# Altium PCB CATS-GS.PcbDoc (part 1 of 3)
Units mil, origin at the board's own origin, x right, y up, seen from the top; angles counter-clockwise.
Board outline 3543.31 x 3070.87 mil, 4 copper layers (Top Layer, Mid Layer 1, Mid Layer 2, Bottom Layer), stack 61.811 mil thick; 140 components, 103 nets, 565 pads, 394 vias.
Unrouted connection lines stored in the file: 23.
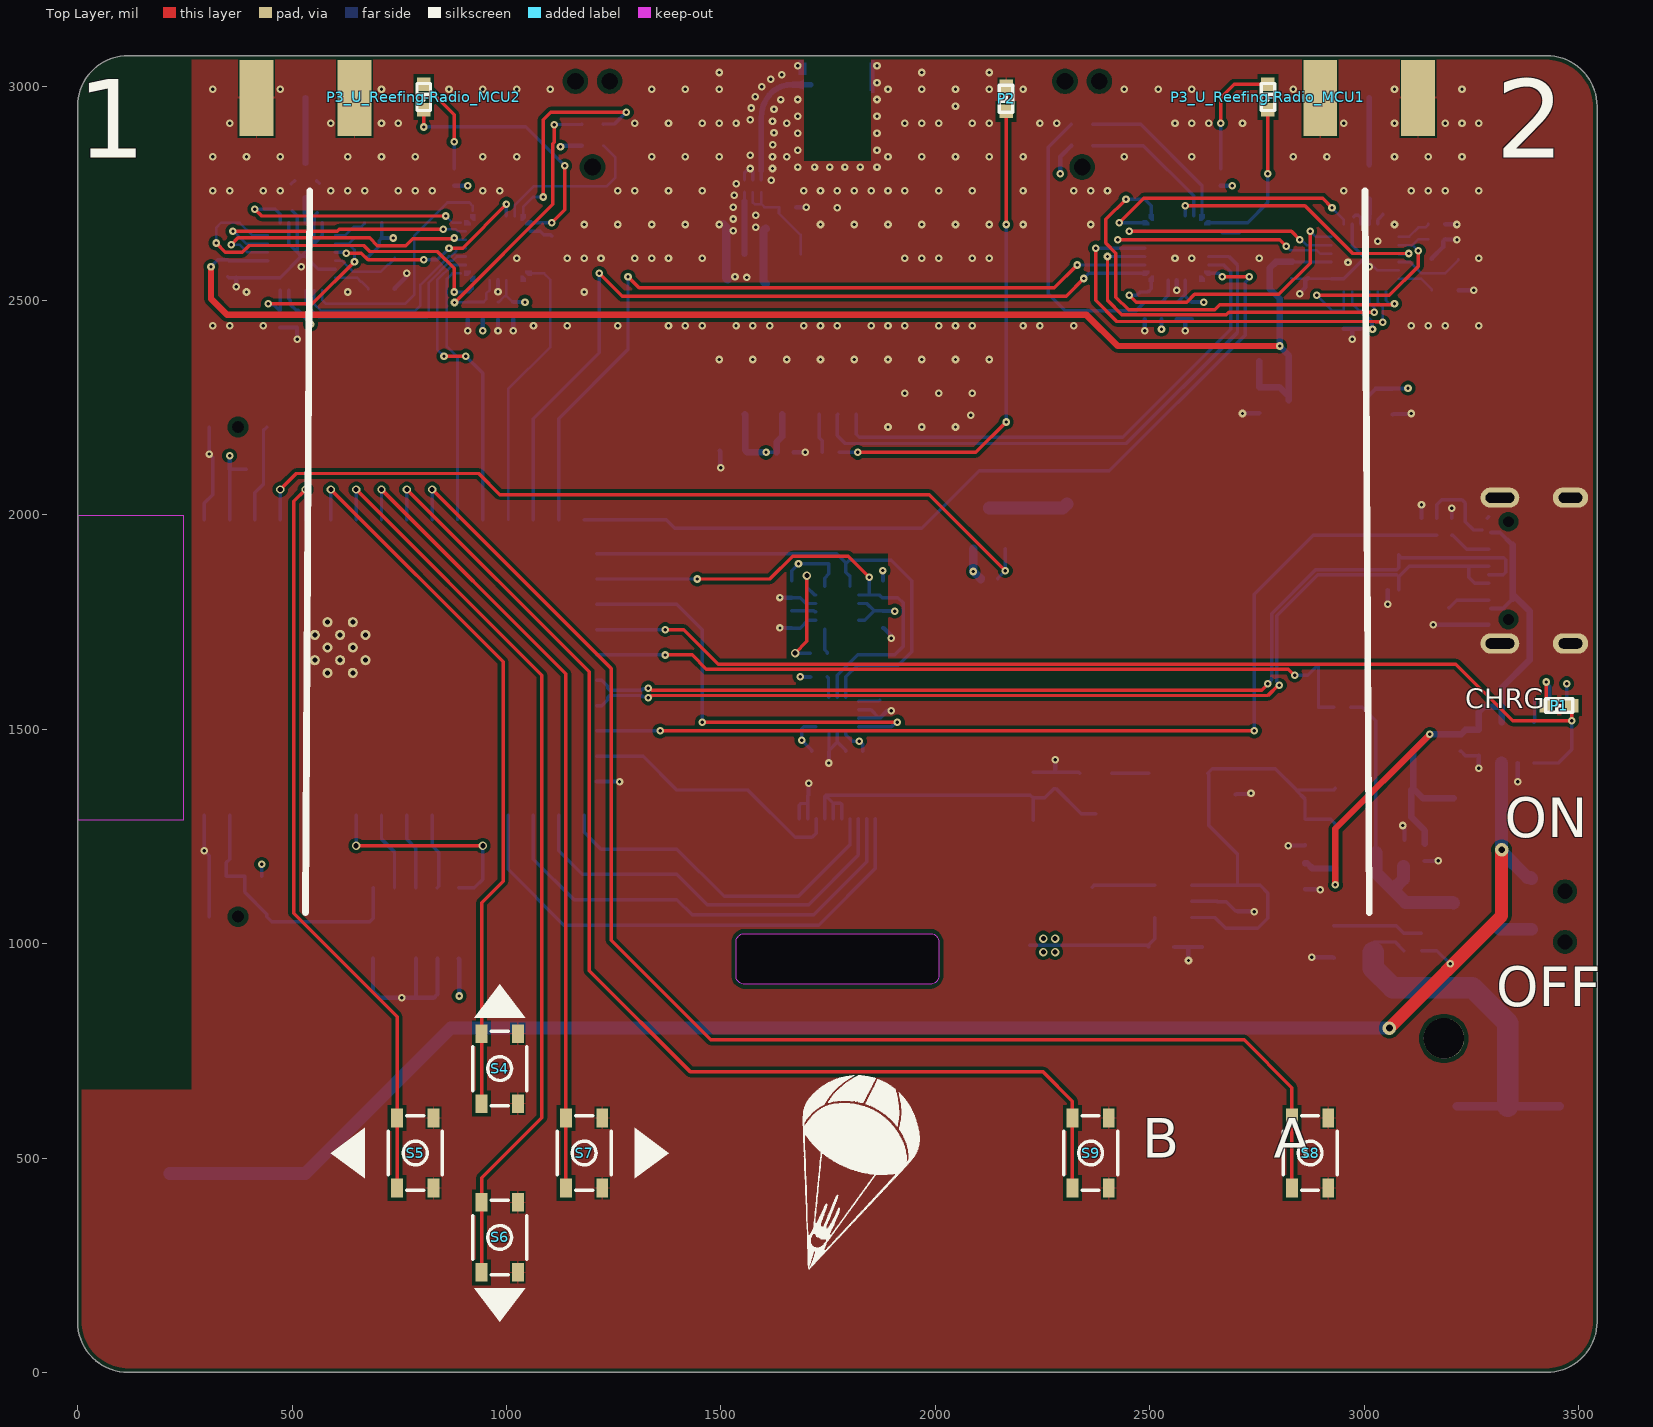
[diagram p0: Top Layer view]
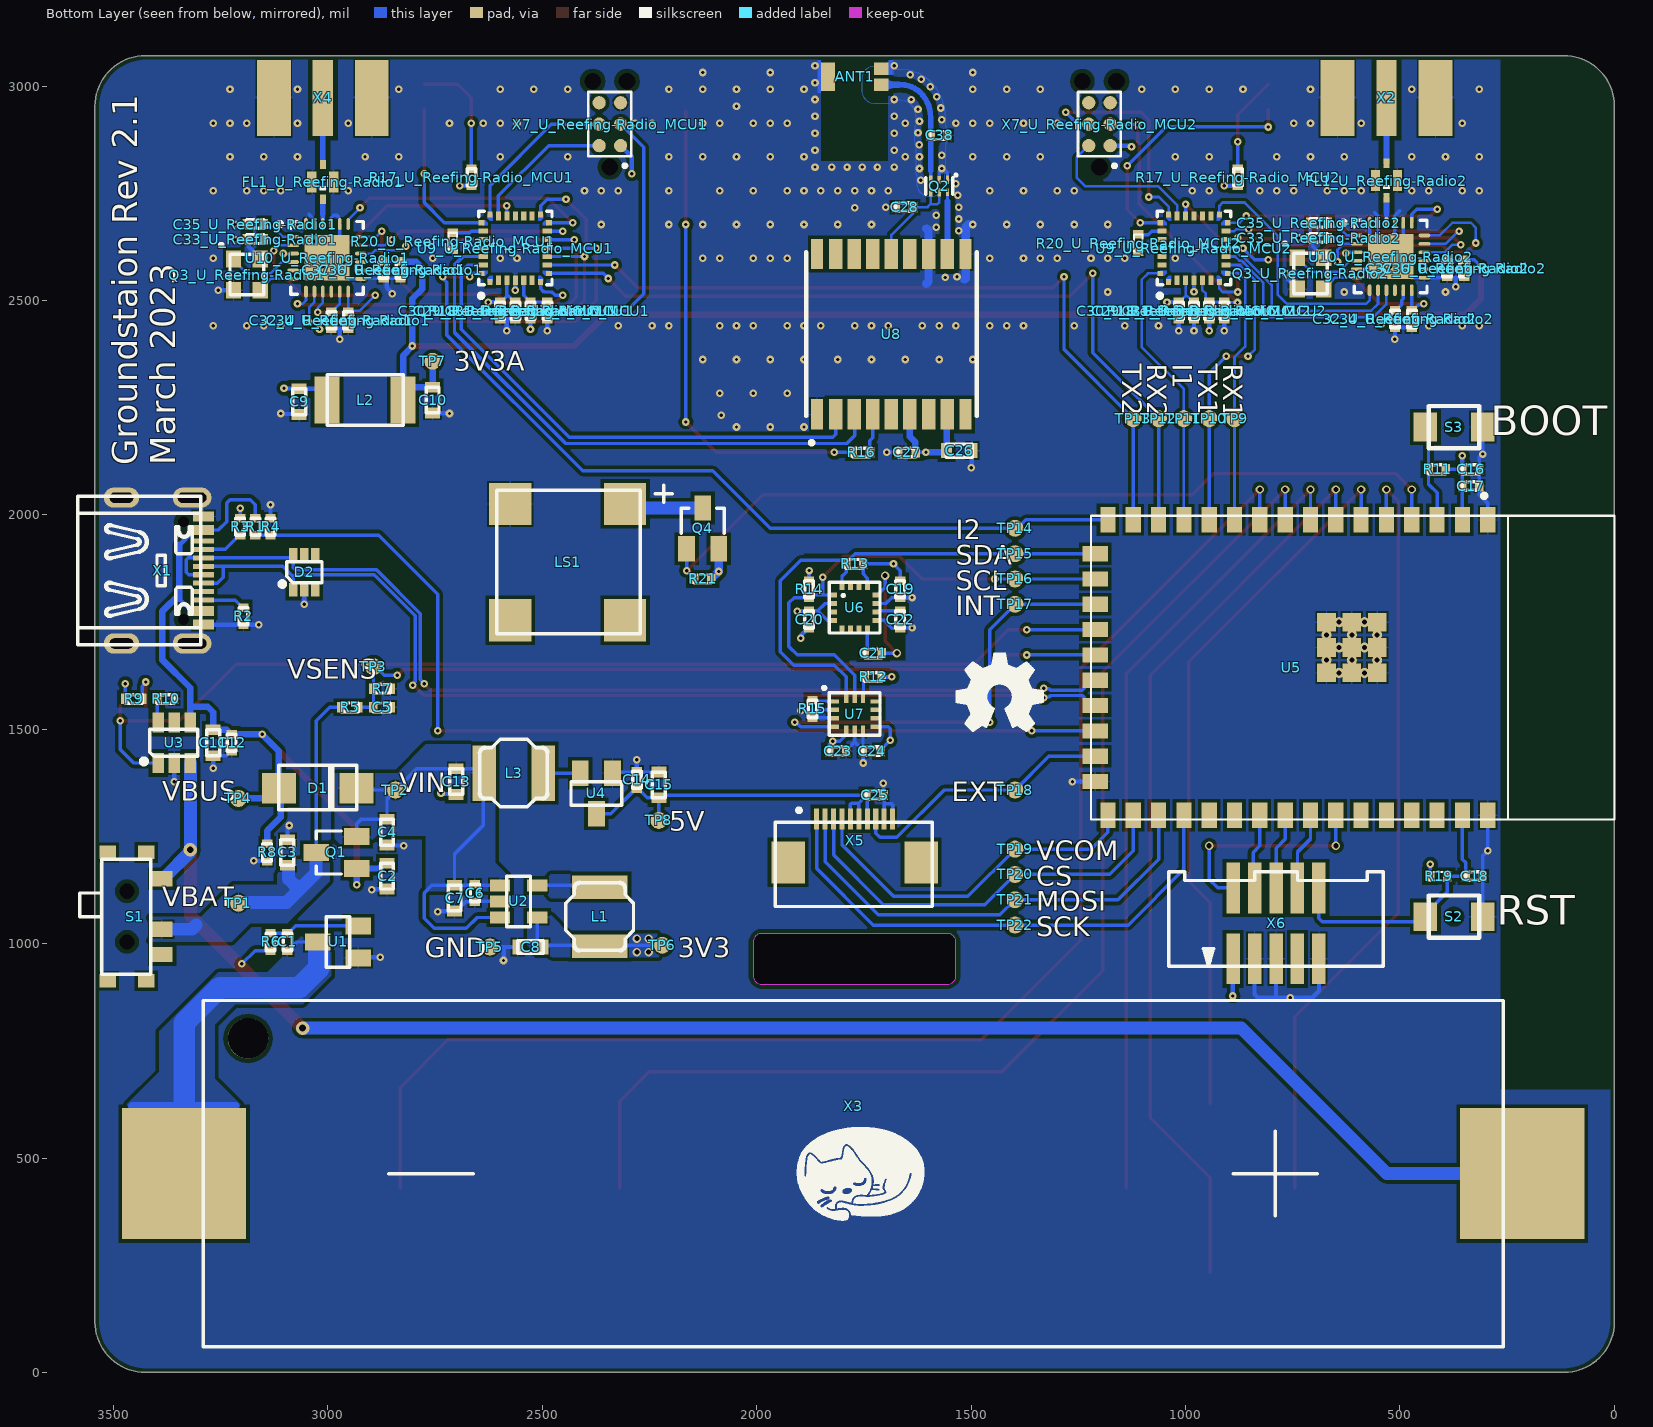
[diagram p1: Bottom Layer view, seen from below]
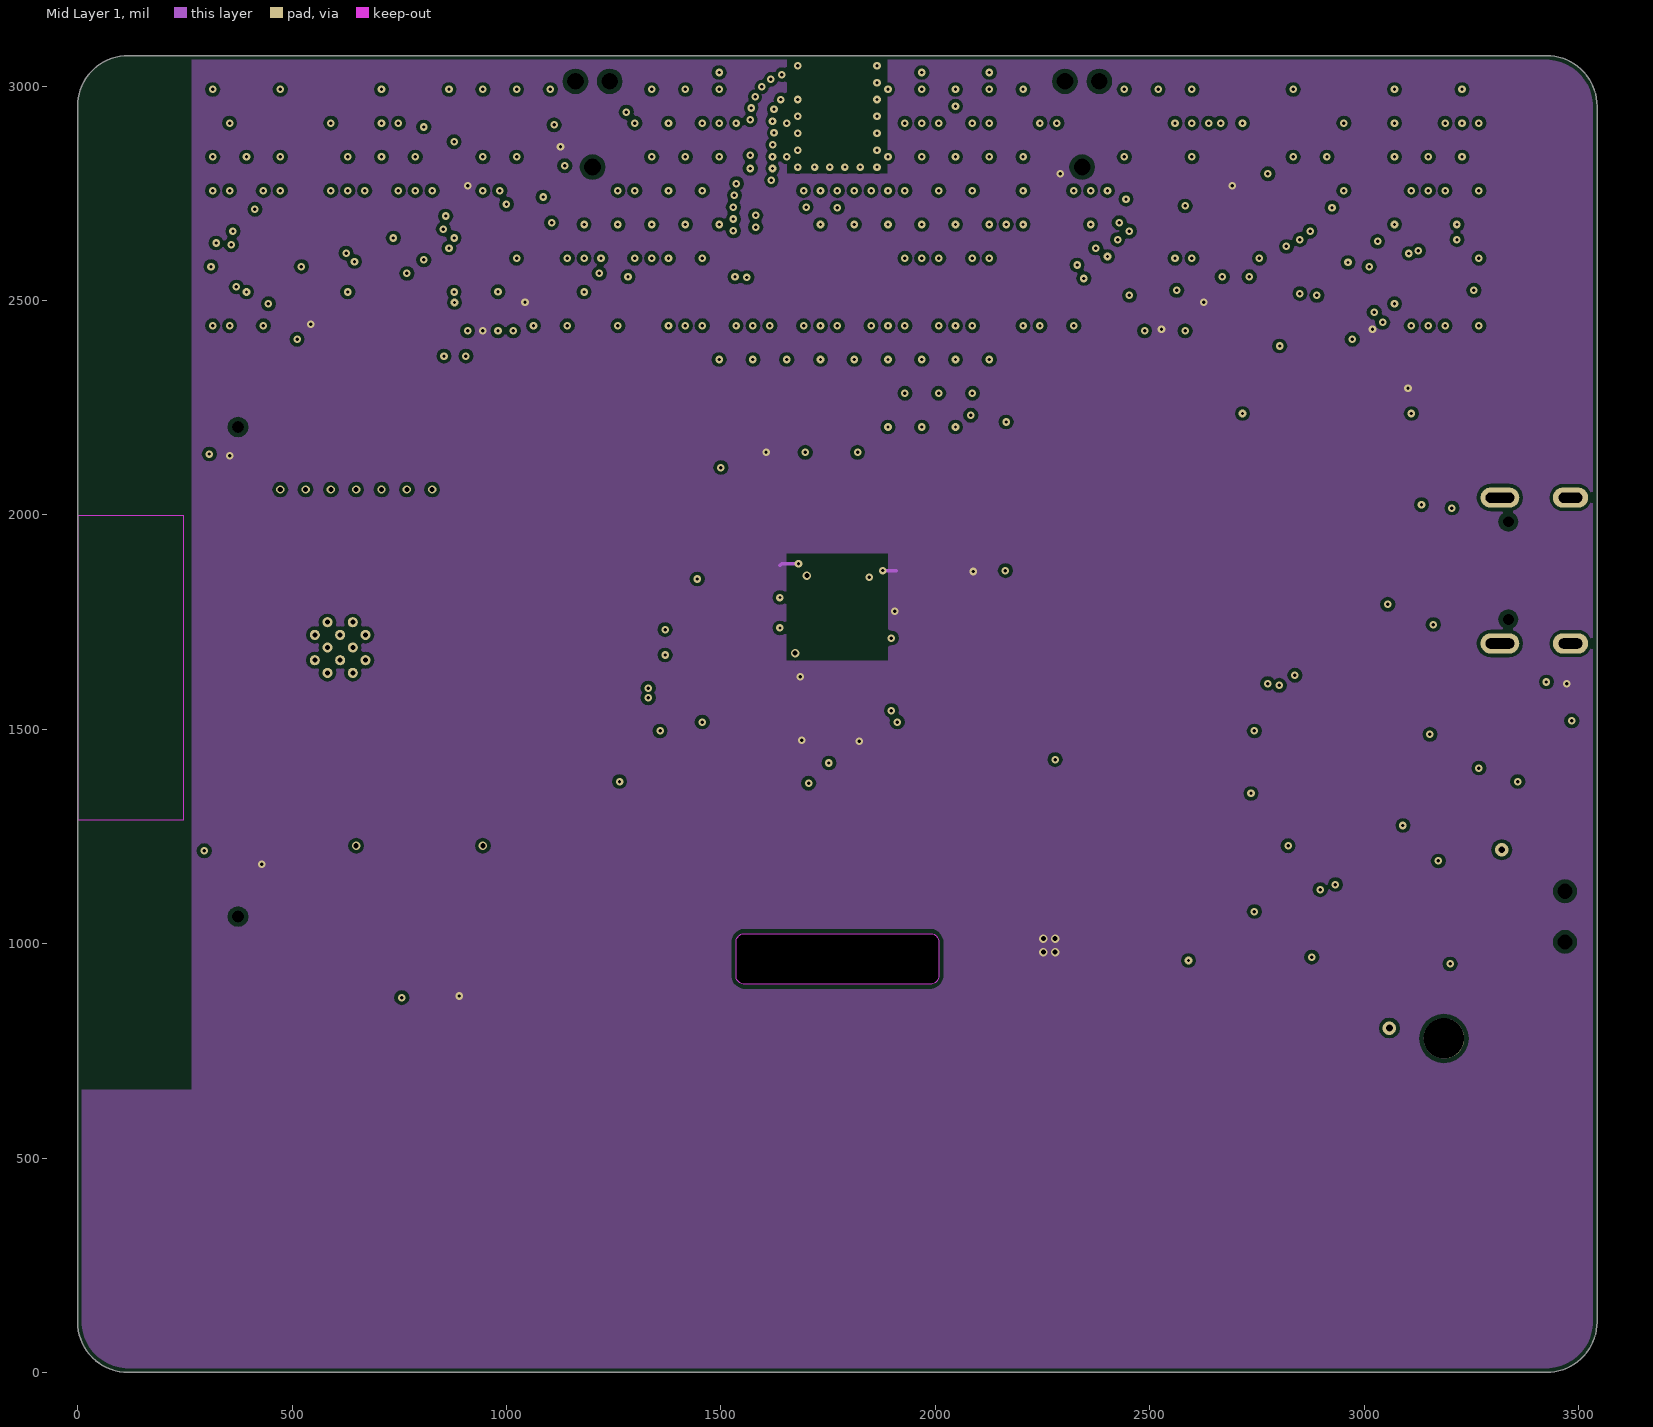
[diagram p2: Mid Layer 1]
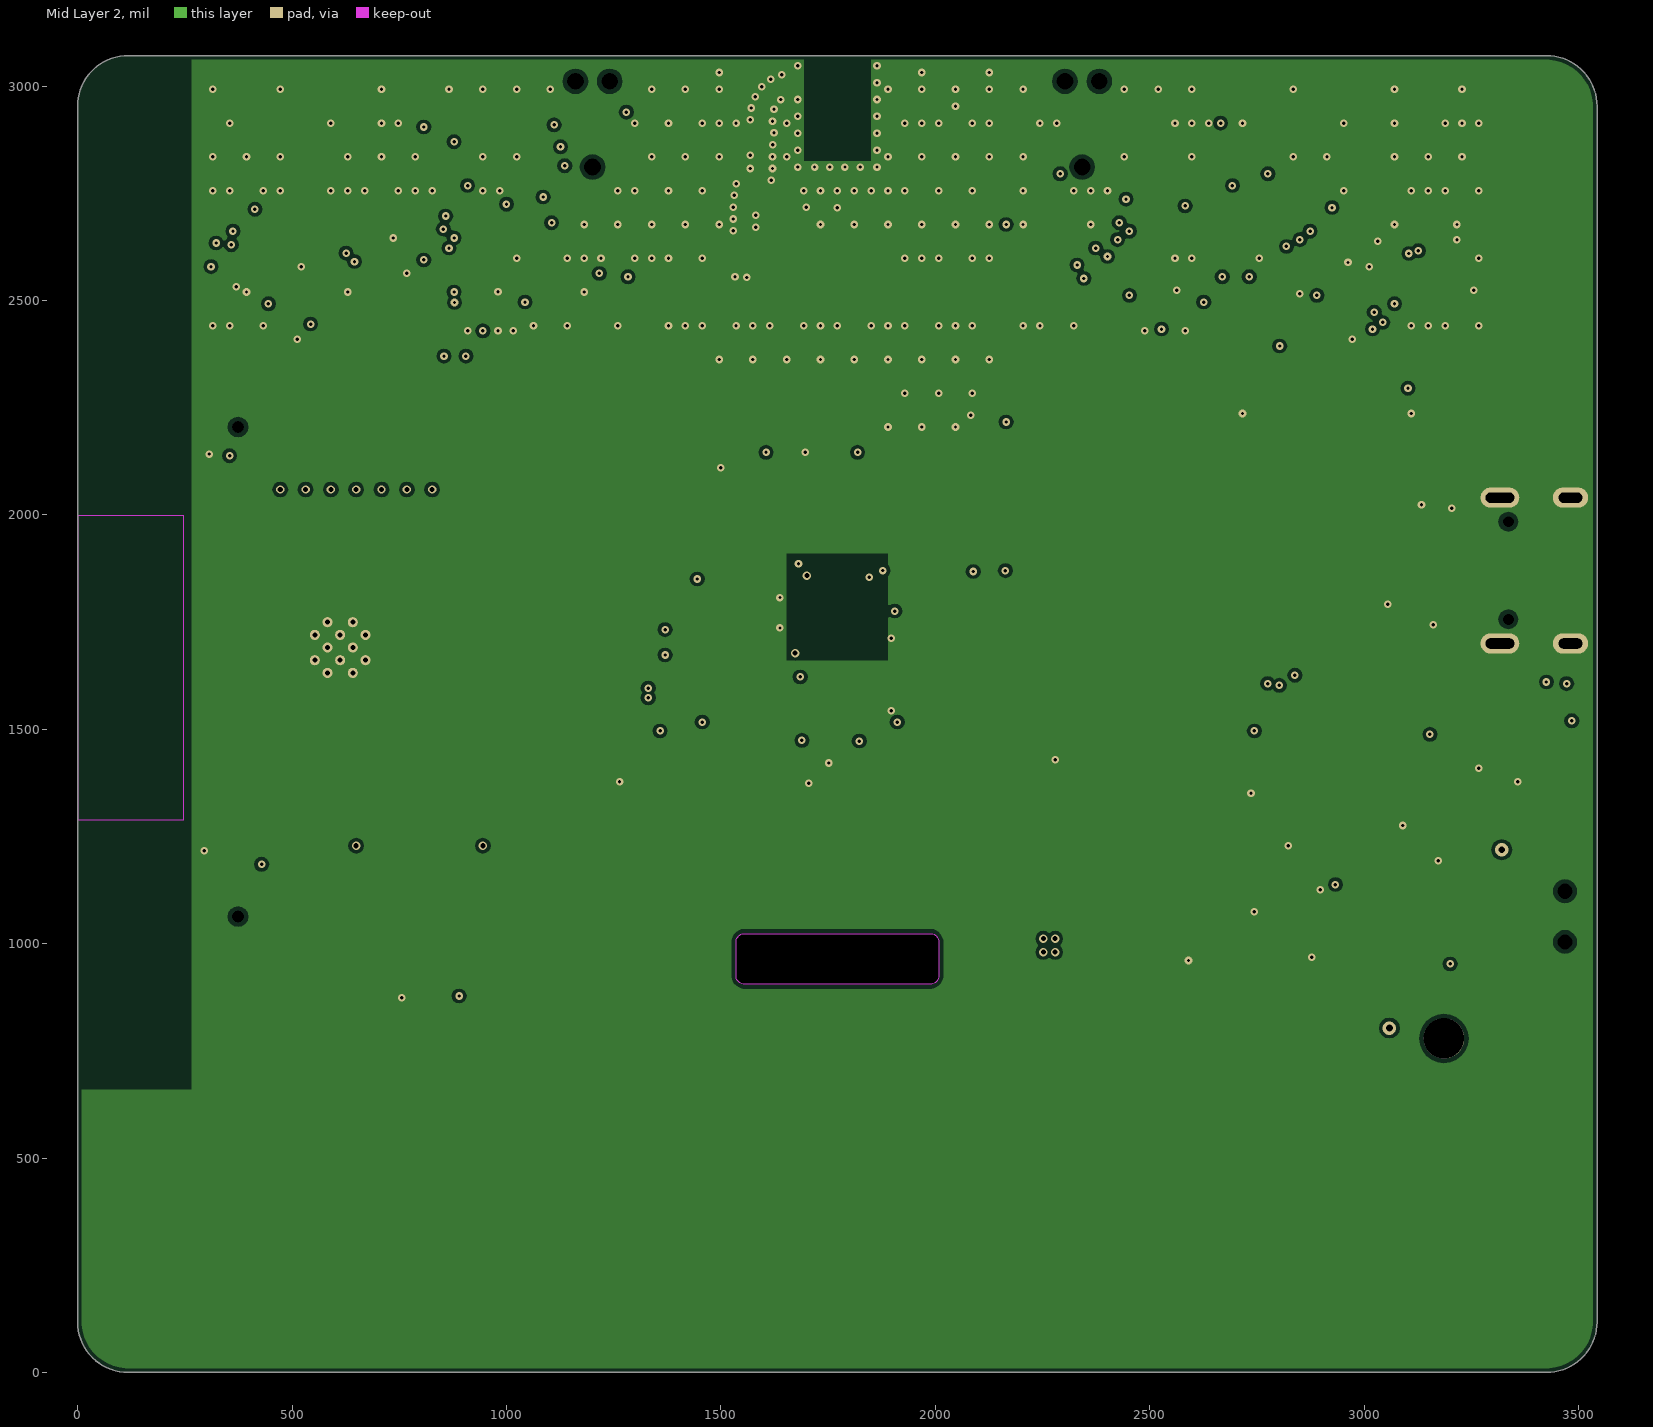
[diagram p3: Mid Layer 2]
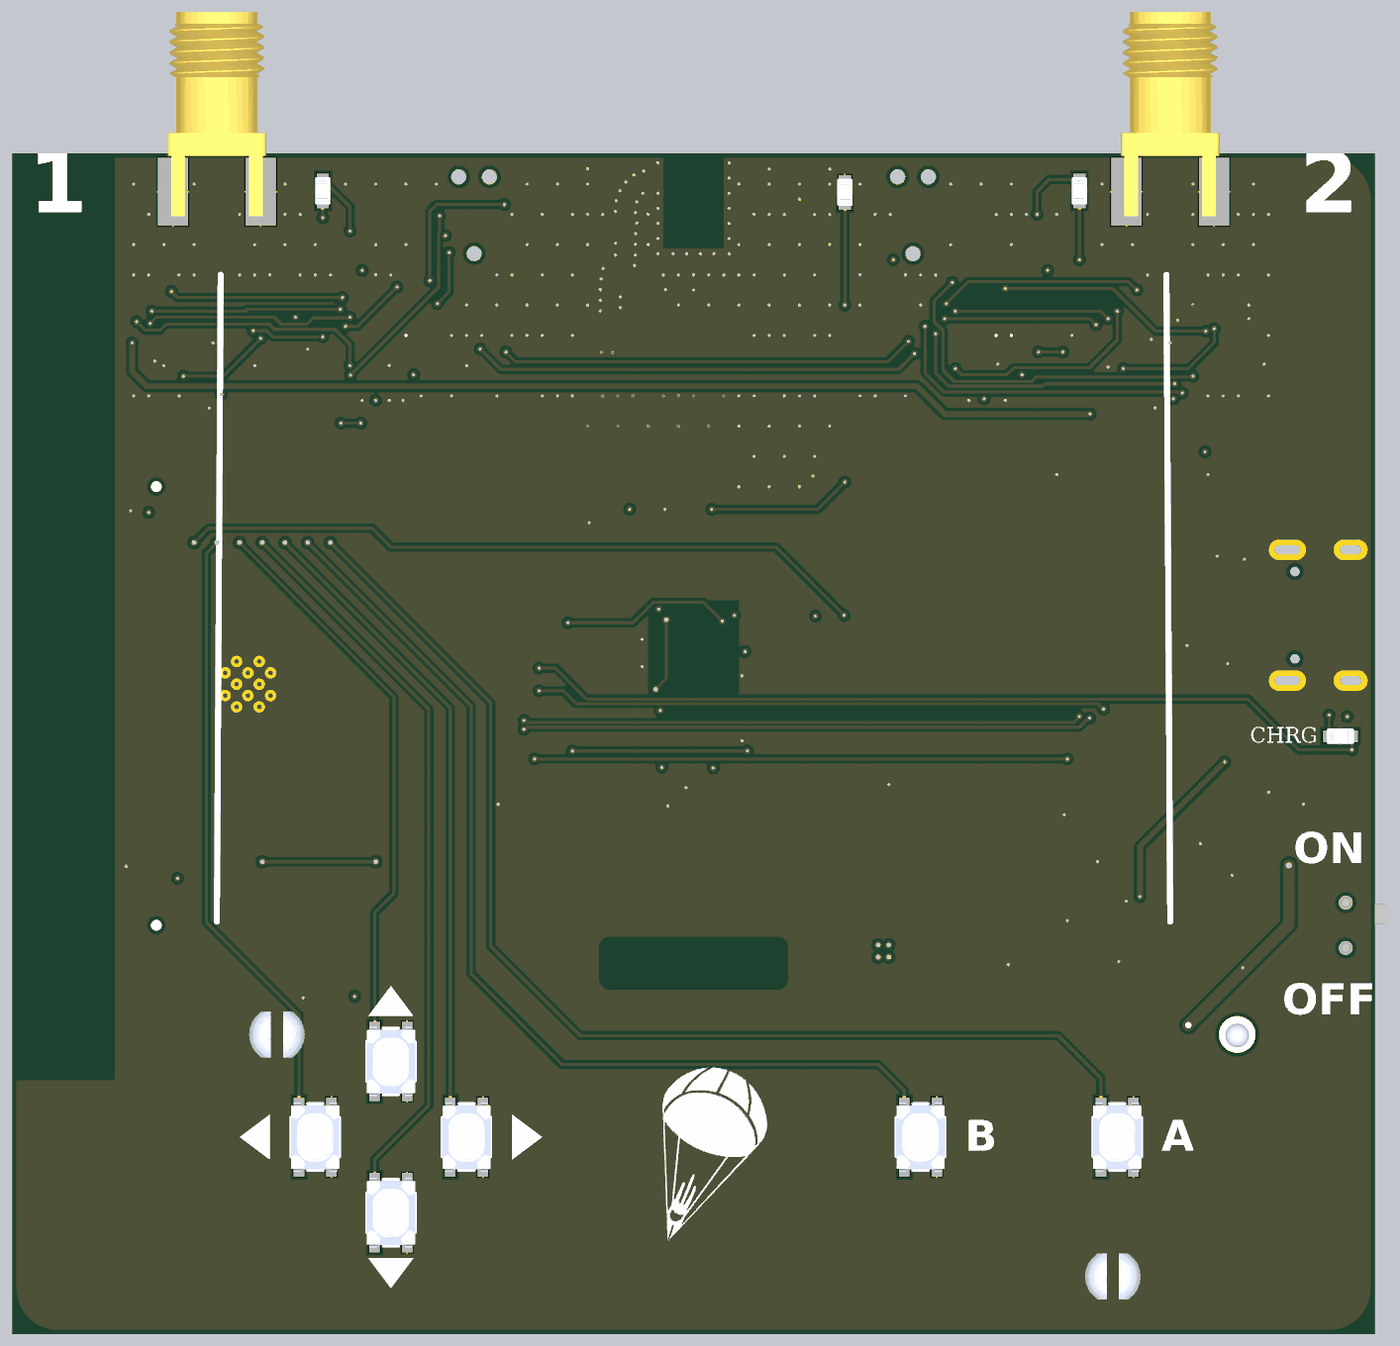
[diagram p6: 3D render of the assembled board from above, using the file's embedded part models]
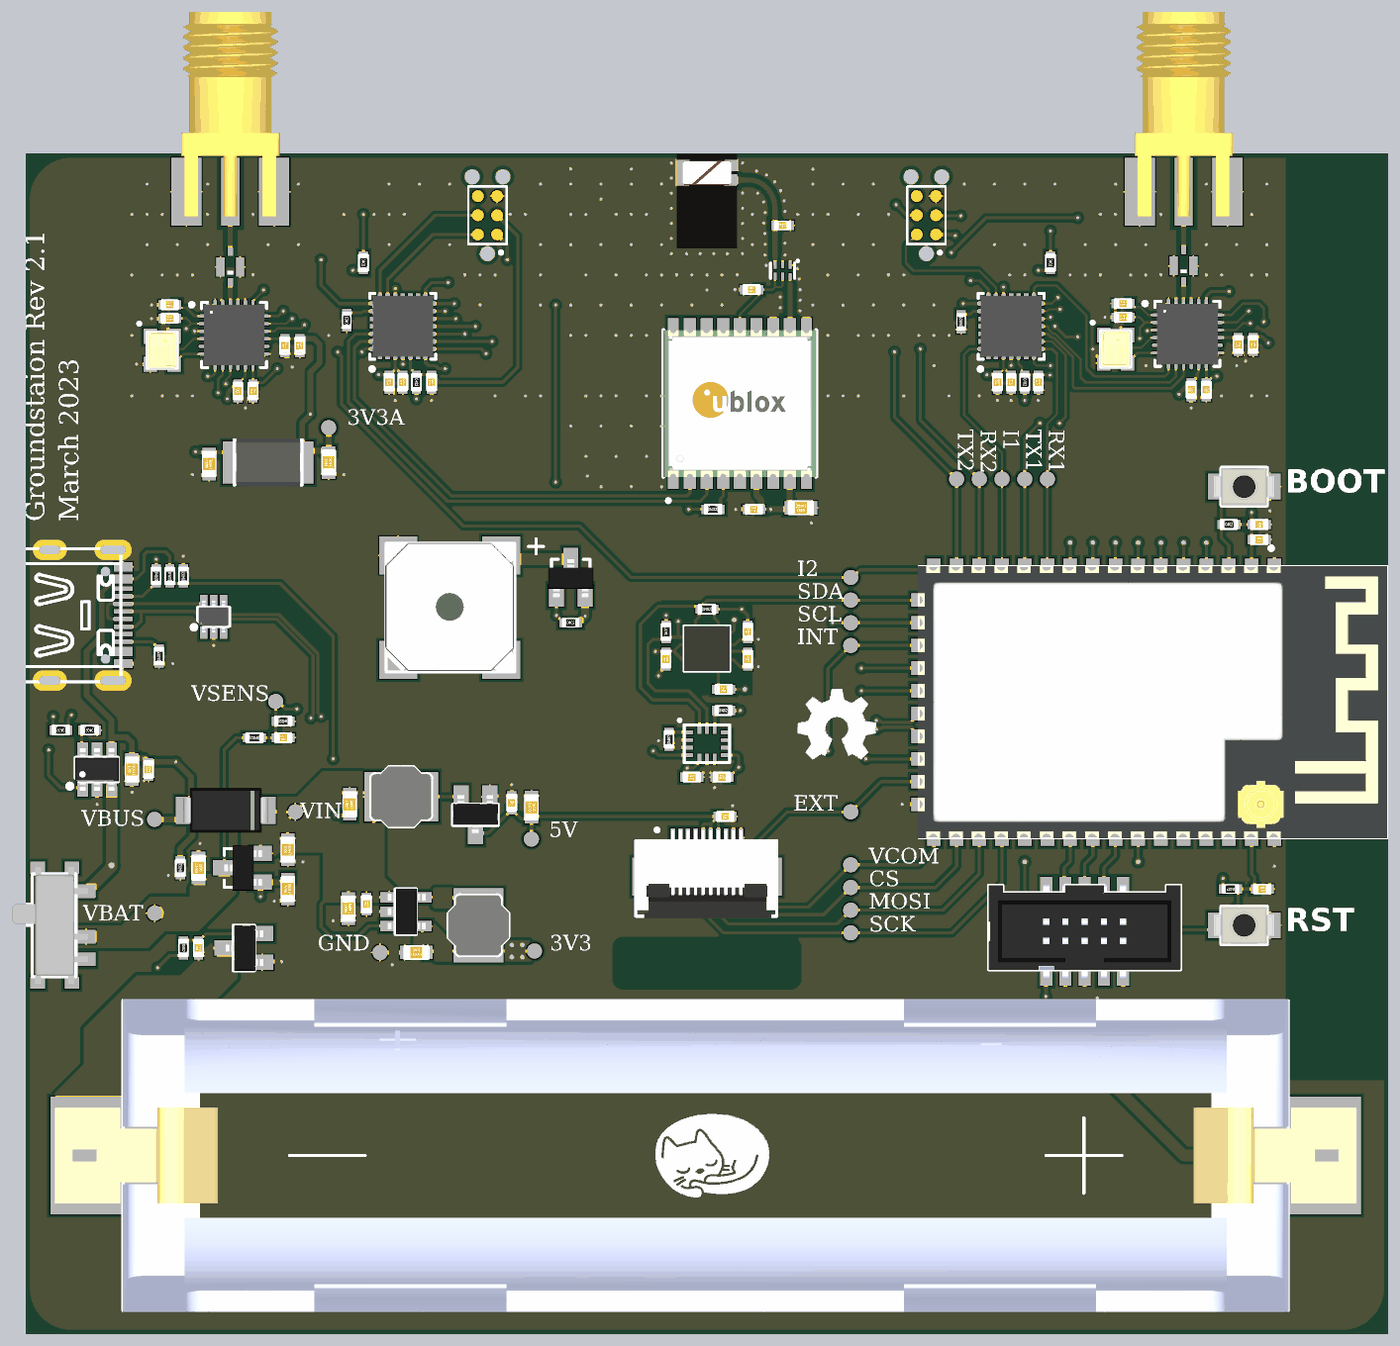
[diagram p7: 3D render of the assembled board from below, using the file's embedded part models]

## Layer stack, top to bottom
Top Solder: solder mask 0.5, Solder Resist, Dk 3.8
Top Layer: signal copper 1.378
Dielectric 1: prepreg 7.874, 7628, Dk 4.6
Mid Layer 1: signal copper 0.689
Core: core 41.9291, FR-4, Dk 4.5
Mid Layer 2: signal copper 0.689
Dielectric 2: prepreg 7.874, 7628, Dk 4.6
Bottom Layer: signal copper 1.378
Bottom Solder: solder mask 0.5, Solder Resist, Dk 3.8

## Board outline
0,118.11 0,2952.76 cw(c118.11,2952.76) 118.11,3070.87 1535.43,3070.87 2204.72,3070.87 3346.46,3070.87 3425.2,3070.87 cw(c3425.2,2952.76) 3543.31,2952.76 3543.31,118.11 cw(c3425.2,118.11) 3425.2,0 118.11,0 cw(c118.11,118.11)
cut-out: 1535.43,1003.94 cw(c1555.12,1003.94) 1555.12,1023.62 1988.19,1023.62 cw(c1988.19,1003.94) 2007.87,1003.94 2007.87,925.2 cw(c1988.19,925.2) 1988.19,905.51 1555.12,905.51 cw(c1555.12,925.2) 1535.43,925.2

## Design rules (kind name [scope] priority, off if disabled: settings)
BoardOutlineClearance [All] p1: gap=10 ignorepadtopadclearanceinfootprint=FALSE
Clearance "Polygon RF" [InPolygon vs InNetClass('RF-Line 50')] p1: gap=12 ignorepadtopadclearanceinfootprint=FALSE except(9.84: Arc-Hole Track-Hole SMDPad-Hole THPad-Hole Via-Hole Fill-Hole Poly-Hole Region-Hole Text-Hole)
Clearance Polygon [InPolygon] p2: gap=8 ignorepadtopadclearanceinfootprint=FALSE except(9.84: Arc-Hole Track-Hole SMDPad-Hole THPad-Hole Via-Hole Fill-Hole Poly-Hole Region-Hole Text-Hole)
Clearance [All] p3: gap=4 ignorepadtopadclearanceinfootprint=FALSE except(5: Arc-Via Track-Via SMDPad-Via THPad-Via Via-Via Via-Fill Via-Poly Via-Region Via-Text; 8: Arc-Hole Track-Hole SMDPad-Hole THPad-Hole Via-Hole Fill-Hole Poly-Hole Region-Hole Text-Hole)
ComponentClearance [All] p1: gap=4 collisioncheckmode=3 verticalgap=4 showdistances=TRUE
DiffPairsRouting [All] p1: maxlimit=4 minlimit=4 mostfreqgap=4 toplayer_minwidth=4 toplayer_maxwidth=71497.94 toplayer_prefwidth=4 midlayer1_minwidth=4 midlayer1_maxwidth=71497.94 midlayer1_prefwidth=4 midlayer2_minwidth=4 midlayer2_maxwidth=71497.94 midlayer2_prefwidth=4 bottomlayer_minwidth=4 bottomlayer_maxwidth=71497.94 bottomlayer_prefwidth=4 maxuncoupledlength=500
Height [All] p1: minheight=0 maxheight=71497.94 prefheight=500
HoleSize [All] p1: absolutevalues=TRUE maxlimit=248.03 minlimit=7.87 maxpercent=80.000 minpercent=20.000
HoleToHoleClearance [All] p1: gap=9.84 allowstackedmicrovias=FALSE
MaxMinImpedance "Schematic Impedance Constraint_1" [InNetClass('RF-Line 50')] p1: minimum=50,00 maximum=50,00
MinimumAnnularRing [All] p1: minimumring=3
MinimumSolderMaskSliver [All] p1: minsoldermaskwidth=0
NetAntennae NetAntennae_1 [InNet('NetANT1_1')] p1: netantennaetolerance=600
NetAntennae [All] p2: netantennaetolerance=0
PlaneClearance [All] p1: clearance=6
PlaneConnect PlaneConnectPowerPads [InPadClass('PowerPads')] p1: planeconnectstyle=Direct reliefexpansion=20 reliefentries=4 reliefconductorwidth=10 reliefairgap=10
PlaneConnect [All] p2: pad.planeconnectstyle=Relief pad.reliefexpansion=11.81 pad.reliefentries=4 pad.reliefconductorwidth=4 pad.reliefairgap=4 via.planeconnectstyle=Direct via.reliefexpansion=11.81 via.reliefentries=4 via.reliefconductorwidth=5 via.reliefairgap=5
PolygonConnect PolygonConnectPowerPads [All vs (InPadClass('PowerPads'))] p1: connectstyle=Direct reliefconductorwidth=10 reliefentries=4 polygonreliefangle="90 Angle" airgapwidth=10
PolygonConnect [All] p2: thpad.connectstyle=Direct thpad.reliefconductorwidth=4 thpad.reliefentries=4 thpad.polygonreliefangle="90 Angle" thpad.airgapwidth=4 smdpad.connectstyle=Relief smdpad.reliefconductorwidth=4 smdpad.reliefentries=4 smdpad.polygonreliefangle="90 Angle" smdpad.airgapwidth=4 via.connectstyle=Direct via.reliefconductorwidth=5 via.reliefentries=4 via.polygonreliefangle="90 Angle" via.airgapwidth=5
RoutingVias [All] p1: holewidth=7.87 width=17.72 viastyle="Through Hole" minholewidth=7.87 minwidth=17.72 maxholewidth=248.03 maxwidth=257.87
ShortCircuit ShortCircuit_1 [InNet('NetANT1_1')] p1: allowed=TRUE
ShortCircuit [All] p2: allowed=FALSE
SilkToSilkClearance [All] p1: silktosilkclearance=0
SilkToSolderMaskClearance [IsPad] p1: minsilkscreentomaskgap=0 clearancetoexposedcopper=TRUE
SolderMaskExpansion [All] p1: expansion=2.95 istentingtop=FALSE
Width [All] p1: maxlimit=71497.94 minlimit=4 preferedwidth=4
18 further rules are at their usual default settings.

## Classes and differential pairs
channel class CATS_GS-Telemetry: U_CATS_GS-Telemetry1 U_CATS_GS-Telemetry2
channel class CATS_GS-Radio_MCU: U_Reefing-Radio_MCU1 U_Reefing-Radio_MCU2
channel class CATS_GS-Radio: U_Reefing-Radio1 U_Reefing-Radio2
net class "RF-Line 50": NetANT1_1 NetFL1_U_Reefing-Radio1_1 NetFL1_U_Reefing-Radio1_3 NetFL1_U_Reefing-Radio2_1 NetFL1_U_Reefing-Radio2_3 NetQ2_6
component class U_Reefing-Radio_MCU2: C29_U_Reefing-Radio_MCU2 C30_U_Reefing-Radio_MCU2 C31_U_Reefing-Radio_MCU2 P3_U_Reefing-Radio_MCU2 R17_U_Reefing-Radio_MCU2 R18_U_Reefing-Radio_MCU2 R20_U_Reefing-Radio_MCU2 U9_U_Reefing-Radio_MCU2 X7_U_Reefing-Radio_MCU2
component class U_Reefing-Radio_MCU1: C29_U_Reefing-Radio_MCU1 C30_U_Reefing-Radio_MCU1 C31_U_Reefing-Radio_MCU1 P3_U_Reefing-Radio_MCU1 R17_U_Reefing-Radio_MCU1 R18_U_Reefing-Radio_MCU1 R20_U_Reefing-Radio_MCU1 U9_U_Reefing-Radio_MCU1 X7_U_Reefing-Radio_MCU1
component class U_Reefing-Radio2: C32_U_Reefing-Radio2 C33_U_Reefing-Radio2 C34_U_Reefing-Radio2 C35_U_Reefing-Radio2 C36_U_Reefing-Radio2 C37_U_Reefing-Radio2 FL1_U_Reefing-Radio2 Q3_U_Reefing-Radio2 U10_U_Reefing-Radio2
component class U_Reefing-Radio1: C32_U_Reefing-Radio1 C33_U_Reefing-Radio1 C34_U_Reefing-Radio1 C35_U_Reefing-Radio1 C36_U_Reefing-Radio1 C37_U_Reefing-Radio1 FL1_U_Reefing-Radio1 Q3_U_Reefing-Radio1 U10_U_Reefing-Radio1
component class U_CATS-GS-USB: R1 R2 R3 R4 X1
component class U_CATS-GS-Sensors: C19 C20 C21 C22 C23 C24 R12 R13 R14 R15 U6 U7
component class U_CATS-GS-PM: C1 C2 C3 C4 C5 C6 C7 C8 C9 C10 C11 C12 C13 C14 C15 D1 L1 L2 L3 P1 Q1 R5 R6 R7 R8 R9 R10 S1 TP1 TP2 TP3 TP4 TP5 TP6 TP7 TP8 U1 U2 U3 U4
component class U_CATS-GS-MCU: C16 C17 C18 D2 LS1 Q4 R11 R19 R21 S2 S3 TP9 TP10 TP11 TP12 TP13 TP14 TP15 TP16 TP17 TP18 TP19 TP20 TP21 TP22 U5
component class U_CATS-GS-GNSS: ANT1 C26 C27 C28 C38 P2 Q2 R16 U8
component class CATS-GS-Overview: C25 S4 S5 S6 S7 S8 S9 X2 X3 X4 X5 X6
differential pair USB_D: +USB_D_P -USB_D_N
